# Altium PCB RFFE-Ver1A.PcbDoc (part 4 of 7)
Units mm, origin at the board's own origin, x right, y up, seen from the top; angles counter-clockwise.
Board outline 301.4 x 196.6 mm, 10 copper layers (RFsignal Top, Ground RF signal, Supply, SupplyGND, Digital signal, DigitalGND, CallTone RF, Ground Calltone, Ground RF signal (Plane6), RFsignal Bottom), stack 1.907 mm thick; 558 components, 369 nets, 2153 pads, 4580 vias.
Unrouted connection lines stored in the file: 1.
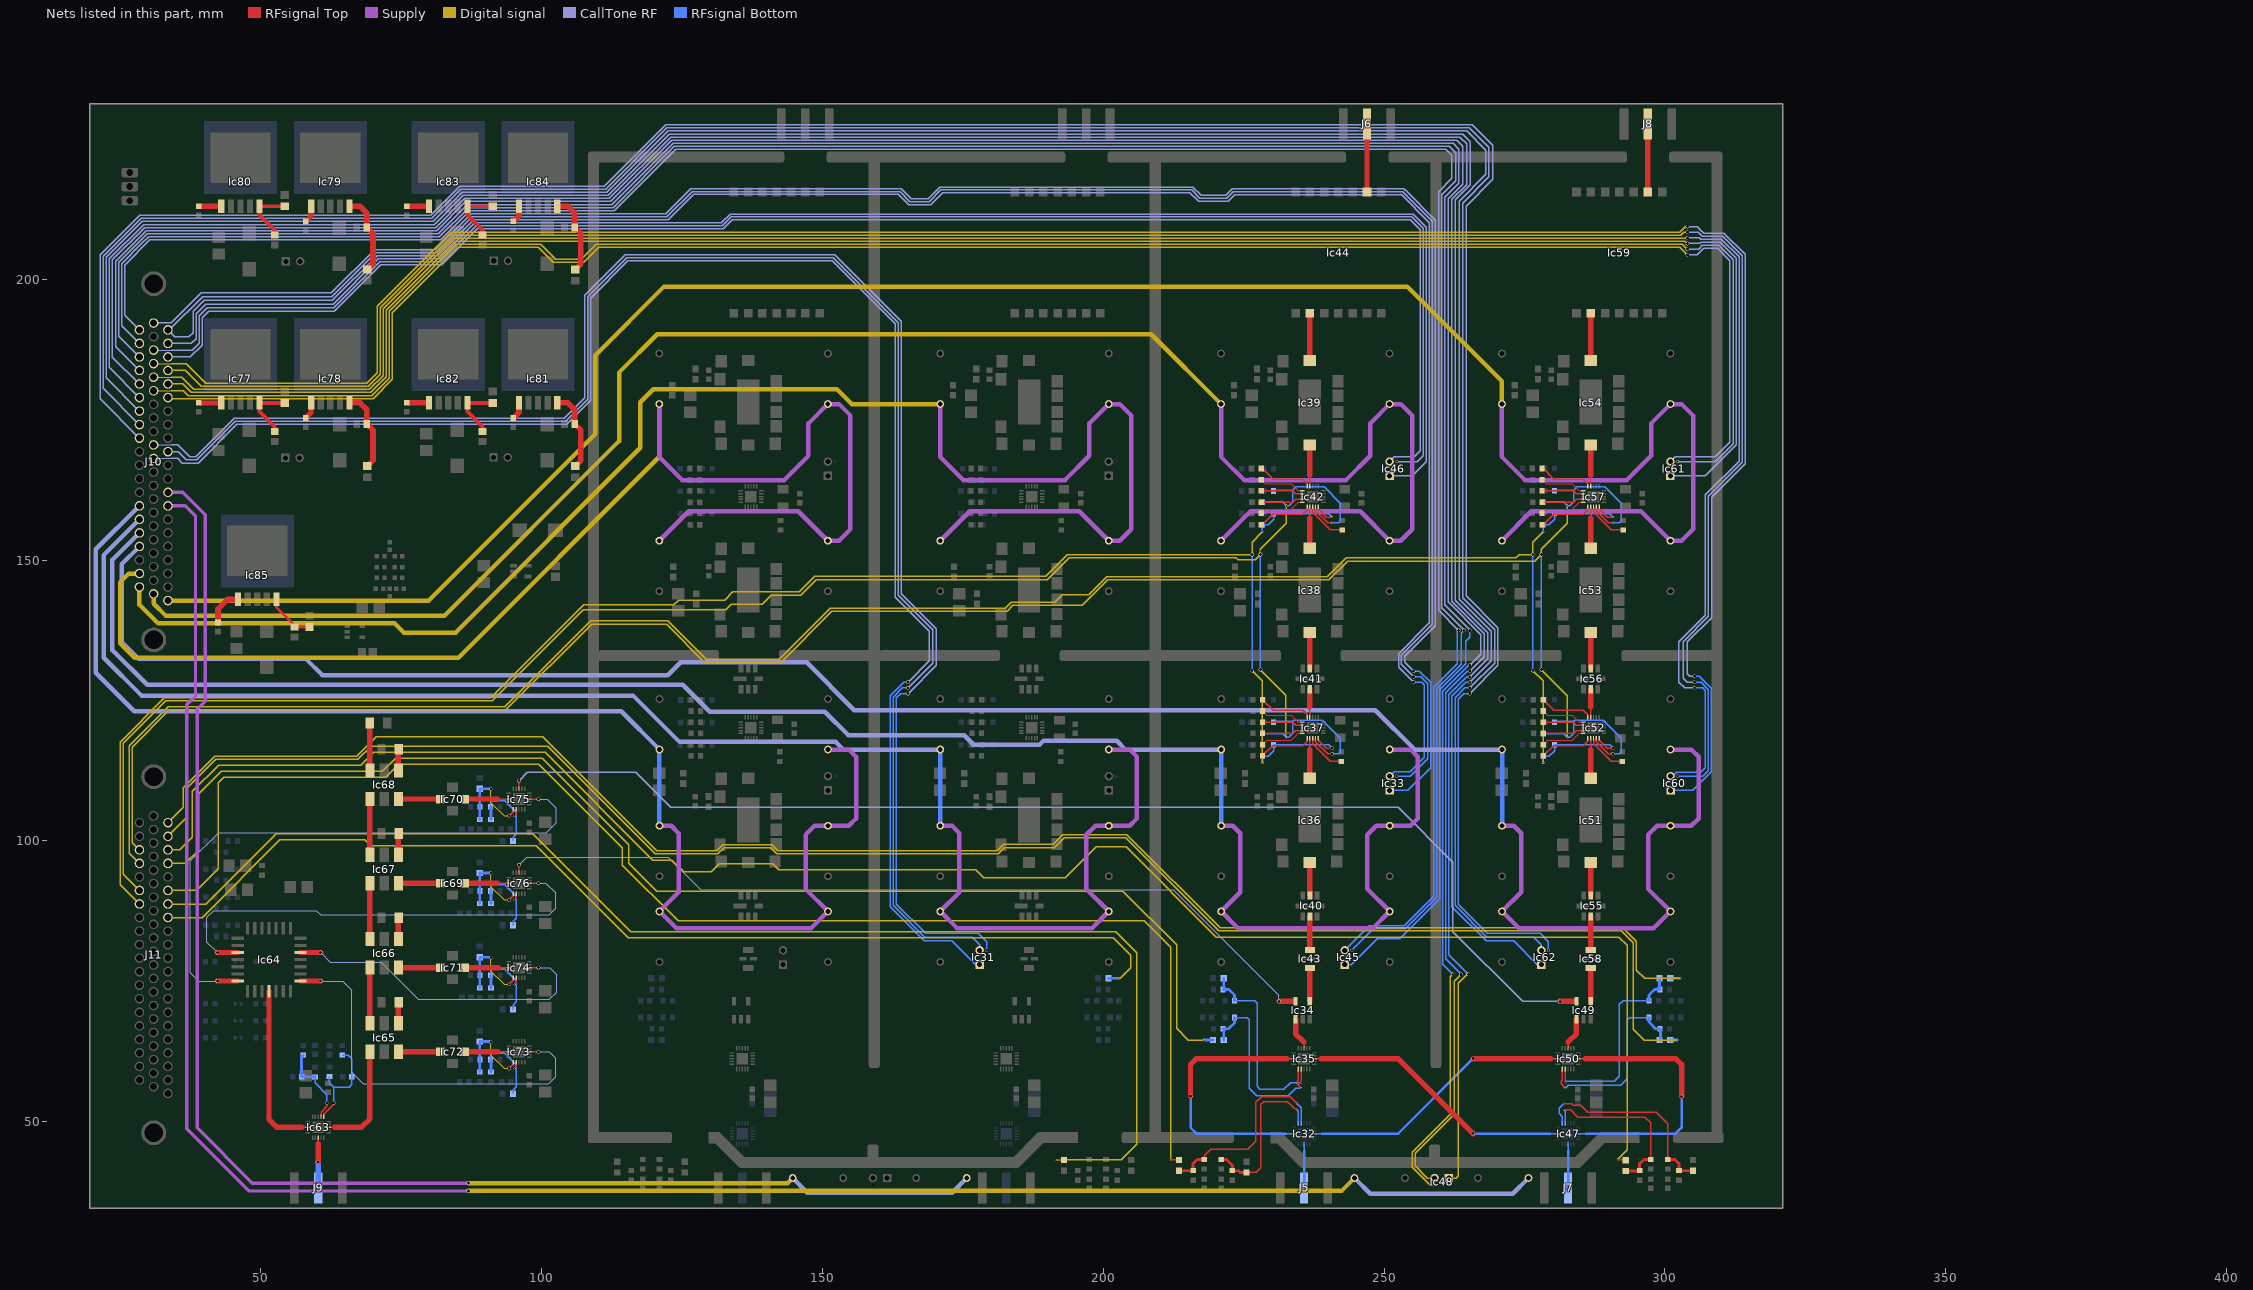
[diagram p12: the nets of this part, all layers, seen from the top]

## Via types
v1: diameter 0.35, hole 0.254, RFsignal Top to RFsignal Bottom, 1882 vias
v2: diameter 0.635, hole 0.508, RFsignal Top to RFsignal Bottom, 1038 vias
v3: diameter 0.33, hole 0.254, RFsignal Top to RFsignal Bottom, 963 vias
v4: diameter 0.381, hole 0.254, RFsignal Top to RFsignal Bottom, 596 vias
v5: diameter 1.27, hole 0.762, RFsignal Top to RFsignal Bottom, 41 vias
v6: diameter 3.9, hole 2.65, RFsignal Top to RFsignal Bottom, 20 vias
v7: diameter 0.85, hole 0.8, RFsignal Top to RFsignal Bottom, 15 vias
v8: diameter 0.635, hole 0.508, RFsignal Top to RFsignal Bottom, tented bottom, 9 vias
v9: diameter 0.6, hole 0.508, RFsignal Top to RFsignal Bottom, 8 vias
v10: diameter 5, hole 3.5, RFsignal Top to RFsignal Bottom, 4 vias
v11: diameter 1.1, hole 1, RFsignal Top to RFsignal Bottom, 2 vias
v12: diameter 1.27, hole 0.762, RFsignal Top to RFsignal Bottom, tented top, 1 vias
v13: diameter 0.85, hole 0.8, RFsignal Top to RFsignal Bottom, tented top, 1 vias

## Nets (pads, with @x,y where several pads share a name; then routed paths per layer and width w, separated by ;. In a path a pad name is that pad's centre, name@x,y a point inside that pad or via, vN(x,y) a via of type N, cw(c..) or ccw(c..) an arc to the next point about the centre after c; other vN are vias at no path point) (continued)
NetIc31_1: Ic31.1 J10.32 | length 292.3
  CallTone RF w0.127: J10.32@30.96,168.105 34.087,168.105
  CallTone RF w0.254: 34.087,168.105 35.27,168.105 36.088,167.287 38.854,167.287 45.729,174.162 104.511,174.162 108.808,178.459 108.808,196.666 115.399,203.257 151.75,203.257 162.959,192.048 162.959,143.421 169.059,137.321 169.059,132.059 v2(165.25,128.25)
  RFsignal Bottom w0.254: v2(165.25,128.25) 164.476,128.25 162.088,125.862 162.088,88.309 168.147,82.25 173.05,82.25 177.3,78 Ic31.1@178,78
NetIc31_2: Ic31.2 Ic31.3 J10.10 J10.31 | length 584.9
  CallTone RF w0.127: J10.31@30.96,170.515 34.087,170.515
  CallTone RF w0.254: J10.10@33.5,169.31 35.315,169.31 36.794,167.831 38.629,167.831 45.504,174.706 104.285,174.706 108.264,178.685 108.264,196.891 115.174,203.801 151.975,203.801 163.503,192.273 163.503,143.754 169.666,137.591 169.666,131.666 v2(165.25,127.25) ; 34.087,170.515 35.235,170.515 37.375,168.375 38.403,168.375 45.278,175.25 104.06,175.25 107.72,178.91 107.72,197.117 114.948,204.345 152.2,204.345 164.047,192.498 164.047,144.009 170.25,137.806 170.25,131.25 v2(165.25,126.25)
  RFsignal Bottom w0.254: v2(165.25,126.25) 163.926,126.25 163.176,125.5 163.176,88.76 168.377,83.559 177.793,83.559 179.27,82.082 Ic31.3@179.27,80.56 ; v2(165.25,127.25) 164.256,127.25 162.632,125.626 162.632,88.535 168.261,82.906 176.65,82.906 178,81.556 Ic31.2@178,80.54
NetIc32_3: Ic32.3 Ic50.13 | length 48.8
  RFsignal Top w0.254: 279.65,61.25 Ic50.13@280.905,61.25
  RFsignal Top w0.965: v8(265.87,61.25) 279.65,61.25
  RFsignal Bottom w0.254: Ic32.3@237.595,47.9 238.9,47.9
  RFsignal Bottom w0.45: 238.9,47.9 252.52,47.9 v8(265.87,61.25)
NetIc32_8: Ic32.8 J5.5 | length 8.1
  RFsignal Bottom w0.25: 235.75,44.845 Ic32.8@235.75,46.055
  RFsignal Bottom w0.45: J5.5@235.751,38.25 235.751,44.844
  RFsignal Bottom w0.965: J5.5@235.751,38 J5.5@235.751,38.25
NetIc32_13: Ic32.13 Ic35.13 | length 48.8
  RFsignal Top w0.254: 232.65,61.25 Ic35.13@233.905,61.25
  RFsignal Top w0.965: v8@215.54,54.58 215.54,60.19 216.6,61.25 232.65,61.25
  RFsignal Bottom w0.254: 232.6,47.9 Ic32.13@233.905,47.9
  RFsignal Bottom w0.45: v8(215.55,54.57) 215.55,48.95 216.6,47.9 232.6,47.9
NetIc32_16: Ic32.16 R114.1 R128.2 R143.2 | length 29.9
  RFsignal Top w0.254: R114.1@225.5,41 227.25,41 228.05,41.8 228.05,53.1 228.55,53.6 232.8,53.6 233.538,52.862 ; 233.538,52.852 234.101,52.288 234.362,52.288 v3(234.5,52.15)
  RFsignal Top w0.508: R128.2@221,43.3 221.95,43.3 223,42.25 R143.2@223,41.3 224.1,41.3 224.4,41 225.2,41 R114.1@225.35,41.15
  RFsignal Bottom w0.254: v3(234.5,52.15) 234.75,51.9 Ic32.16@234.75,49.745
NetIc32_17: Ic32.17 R118.1 R129.2 R144.2 | length 36
  RFsignal Top w0.254: R129.2@218,43.3 218,43.992 219.108,45.1 225.75,45.1 227.161,46.511 227.161,53.468 228.182,54.489 233.261,54.489 v3(234.5,53.25)
  RFsignal Top w0.508: R118.1@213.5,41.3 R144.2@216,41.3 216,42.545 216.755,43.3 R129.2@218,43.3
  RFsignal Bottom w0.254: v3(234.5,53.25) 235.25,52.5 Ic32.17@235.25,49.745
NetIc33_1: Ic33.1 J10.22 | length 354.3
  CallTone RF w0.254: J10.22@30.96,192.205 31.022,192.267 34.111,192.267 39.412,197.568 62.552,197.568 70.283,205.3 81.087,205.3 87.459,211.672 122.113,211.672 126.559,216.118 164.037,216.118 165.81,214.345 168.832,214.345 170.896,216.409 215.936,216.409 217.425,214.92 221.777,214.92 222.975,216.118 253.529,216.118 253.768,215.879 253.824,215.879 259.151,210.553 259.151,138.362 253.685,132.896 253.685,131.815 v2(255.25,130.25)
  RFsignal Bottom w0.254: Ic33.1@251,109 254.24,109 258.28,113.04 258.28,128.259 256.289,130.25 v2(255.25,130.25)
NetIc33_2: Ic33.2 Ic33.3 J10.1 | length 698.1
  CallTone RF w0.254: J10.1@33.5,191 34.705,189.795 37.245,189.795 37.968,190.518 37.968,194.267 39.956,196.255 62.777,196.255 70.734,204.212 81.538,204.212 87.91,210.584 122.564,210.584 127.09,215.11 163.537,215.11 165.368,213.279 169.274,213.279 171.396,215.401 215.436,215.401 216.983,213.854 222.219,213.854 223.416,215.052 252.997,215.052 253.055,215.11 258.063,210.102 258.063,138.813 252.571,133.321 252.571,130.929 v2(255.25,128.25) ; J10.1@33.772,191 39.684,196.912 62.664,196.912 70.509,204.756 81.313,204.756 87.685,211.128 122.339,211.128 126.825,215.614 163.828,215.614 165.601,213.841 169.041,213.841 171.104,215.905 215.727,215.905 217.216,214.416 221.986,214.416 223.184,215.614 253.32,215.614 258.607,210.327 258.607,138.588 253.045,133.026 253.045,131.455 v2(255.25,129.25)
  RFsignal Bottom w0.254: Ic33.2@251.307,111.54 Ic33.2@251,111.54 251.8,112.34 254.637,112.34 257.192,114.895 257.192,127.808 256.75,128.25 v2(255.25,128.25) ; Ic33.3@252.27,111.56 254.626,111.56 257.736,114.67 257.736,128.033 256.519,129.25 v2(255.25,129.25)
NetIc34_3: Ic34.3 Ic35.8 | length 5.8
  RFsignal Top w0.25: Ic35.8@235.75,63.095 235.75,64.18
  RFsignal Top w0.965: Ic34.3@234.25,68.3 234.25,65.68 235.75,64.18
NetIc34_4: Ic34.4 Ic76.8 | length 151.2
  RFsignal Top w0.254: Ic76.8@95.99,94.315 v2@95.99,95.74
  RFsignal Top w0.965: v2(231.29,71.45) Ic34.4@234,71.45
  CallTone RF w0.2: v2(96,95.75) 97.35,97.1 122.55,97.1 128.35,91.3 206.2,91.3 212.5,91.3 231.29,72.51 v2(231.29,71.45)
NetIc34_6: Ic34.6 Ic43.1 | length 5.9
  RFsignal Top w0.965: Ic34.6@236.79,71.45 236.79,77.36 Ic43.1@236.8,77.37
NetIc35_3: Ic35.3 Ic47.13 | length 48.8
  RFsignal Top w0.254: Ic35.3@237.595,61.25 238.85,61.25
  RFsignal Top w0.965: 238.85,61.25 252.49,61.25 v8(265.84,47.9)
  RFsignal Bottom w0.254: 279.6,47.9 Ic47.13@280.905,47.9
  RFsignal Bottom w0.45: v8(265.84,47.9) 279.6,47.9
NetIc35_16: Ic35.16 R119.2 R130.2 R145.2 | length 34.5
  RFsignal Top w0.254: Ic35.16@234.75,59.405 234.75,57.5 234.5,57.25 234.5,56.75 v3(235.25,56)
  RFsignal Bottom w0.254: R130.2@223.35,68.57 225.63,68.57 226,68.2 226,55.95 227.3,54.65 232.9,54.65 234.25,56 v3(235.25,56)
  RFsignal Bottom w0.508: R145.2@221.35,66.57 222.32,66.57 223.35,67.6 R130.2@223.35,68.57 ; R119.2@221.45,64.57 R145.2@221.45,66.47
NetIc35_17: Ic35.17 R113.2 R131.2 R146.2 | length 35.4
  RFsignal Top w0.254: v3(235.25,57) Ic35.17@235.25,59.405
  RFsignal Bottom w0.254: R131.2@223.35,71.57 226.98,71.57 227.4,71.15 227.4,56.3 227.9,55.8 232.15,55.8 233.35,57 v3(235.25,57)
  RFsignal Bottom w0.508: R146.2@221.35,73.57 222.38,73.57 223.35,72.6 R131.2@223.35,71.57 ; R146.2@221.45,73.67 R113.2@221.45,75.57
NetIc36_5: Ic36.5 Ic37.2 | length 7.1
  RFsignal Top w0.254: 236.79,116.25 Ic37.2@236.79,118.305
  RFsignal Top w0.965: Ic36.5@236.79,111.16 236.79,116.25
NetIc36_10: Ic36.10 Ic40.6 | length 5.9
  RFsignal Top w0.965: Ic36.10@236.79,96.16 236.8,96.15 Ic40.6@236.8,90.3
NetIc37_1: Ic37.1 R109.2 | length 9.6
  RFsignal Top w0.254: R109.2@228.34,115.15 230.19,117 235.5,117 236.29,117.79 Ic37.1@236.29,118.305
NetIc37_3: Ic37.3 R111.2 | length 7.4
  RFsignal Top w0.254: Ic37.3@237.29,118.305 237.29,117.34 240.44,114.19 R111.2@242.41,114.19
NetIc37_4: Ic37.4 Ic42.4 J11.48 R123.2 R126.2 R136.2 R139.2 | length 349.2
  RFsignal Top w0.254: Ic37.4@237.79,118.305 237.79,117.64 239.93,115.5 v2(240.75,115.5) ; Ic42.4@237.79,159.475 237.79,158.81 239.93,156.67 v4(240.75,156.67)
  Digital signal w0.127: v2(228,151) 228,151.97
  Digital signal w0.254: J11.48@28.42,91.2 25.521,94.099 25.521,117.385 33.094,124.958 91.238,124.958 107.443,141.163 132.806,141.163 133.767,142.124 139.264,142.124 140.89,143.75 146.13,143.75 148.883,146.503 189.993,146.503 193.936,150.446 223.63,150.446 224.016,150.06 227.06,150.06 v2(228,151) ; v2(228,130.5) 232.53,125.97 v4(232.53,118.47) ; 228,151.97 232.63,156.6 v4(232.63,159.71)
  RFsignal Bottom w0.254: v2(228,130.5) v2(228,151) ; R136.2@228.35,119.1 232,119.1 232.63,118.47 233.03,118.47 233.75,119.19 233.75,121.3 ; R139.2@228.35,160.27 232.07,160.27 v4(232.63,159.71) 233.1,159.71 233.75,160.36 233.75,162.47 ; R123.2@230.55,121.3 233.75,121.3 ; R126.2@230.55,162.47 233.75,162.47 ; v2(240.75,115.5) 241.9,115.5 242.2,115.8 242.2,118.3 239,121.5 233.95,121.5 233.75,121.3 ; v4(240.75,156.67) 241.9,156.67 242.2,156.97 242.2,160.17 239.33,163.04 234.32,163.04 233.75,162.47
NetIc37_5: Ic37.5 Ic42.5 J11.49 R124.2 R127.2 R137.2 R140.2 | length 325.6
  RFsignal Top w0.254: Ic37.5@238.29,118.305 238.29,117.94 239.73,116.5 v2(240.75,116.5) ; Ic42.5@238.29,159.475 238.29,159.11 239.73,157.67 v4(240.75,157.67)
  Digital signal w0.254: J11.49@28.42,88.79 24.977,92.233 24.977,117.61 32.869,125.502 90.999,125.502 107.551,142.054 123.574,142.054 124.41,142.89 132.6,142.89 134.09,144.38 145.902,144.38 148.632,147.11 189.742,147.11 193.632,151 v2(226.5,151) 226.5,153.21 v4(228.33,155.04) ; v2(226.5,130.33) 228.33,128.5 v4@228.33,113.92
  RFsignal Bottom w0.254: v2(226.5,130.33) v2(226.5,151) ; v4(228.33,155.04) R140.2@228.33,156.25 ; R137.2@228.35,115.1 229.35,115.1 230.35,116.1 230.35,117.1 240.15,117.1 v2(240.75,116.5) ; R140.2@228.35,156.27 229.35,156.27 230.35,157.27 230.35,158.27 240.15,158.27 v4(240.75,157.67) ; v4(228.38,113.87) R137.2@228.38,115.07
NetIc37_14: Ic37.14 Ic41.2 | length 5
  RFsignal Top w0.254: Ic37.14@236.79,121.995 236.79,123.9
  RFsignal Top w0.965: 236.79,123.9 Ic41.2@236.79,127
NetIc37_15: Ic37.15 R107.2 | length 9.5
  RFsignal Top w0.254: R107.2@228.34,125.15 230.24,123.25 235.5,123.25 236.29,122.46 Ic37.15@236.29,121.995
NetIc37_16: Ic37.16 R105.2 | length 7.9
  RFsignal Top w0.2: R105.2@228.34,123.15 229.082,122.408 233.482,122.408 234.74,121.15 Ic37.16@235.445,121.15
NetIc37_17: Ic37.17 R103.2 | length 7.3
  RFsignal Top w0.254: R103.2@228.34,121.15 233.75,121.15 234.25,120.65 Ic37.17@235.445,120.65
NetIc37_19: Ic37.19 R101.2 | length 7.3
  RFsignal Top w0.254: R101.2@228.34,119.15 233.75,119.15 234.25,119.65 Ic37.19@235.445,119.65
NetIc37_20: Ic37.20 R99.2 | length 7.9
  RFsignal Top w0.2: R99.2@228.35,117.15 229.1,117.9 233.5,117.9 ; 233.5,117.91 234.74,119.15 Ic37.20@235.445,119.15
NetIc38_5: Ic38.5 Ic42.2 | length 7.4
  RFsignal Top w0.254: 236.79,157.42 Ic42.2@236.79,159.475
  RFsignal Top w0.965: Ic38.5@236.79,152.11 236.79,157.42
NetIc38_10: Ic38.10 Ic41.6 | length 6.4
  RFsignal Top w0.965: Ic41.6@236.79,130.73 Ic38.10@236.79,137.11
NetIc39_5: Ic39.5 Ic44.2 | length 8.4
  RFsignal Top w0.965: Ic39.5@236.8,185.52 Ic44.2@236.8,193.95
NetIc39_10: Ic39.10 Ic42.14 | length 7.3
  RFsignal Top w0.254: Ic42.14@236.79,163.165 236.79,165.07
  RFsignal Top w0.965: 236.8,165.08 Ic39.10@236.8,170.52
NetIc40_2: Ic40.2 Ic43.3 | length 6
  RFsignal Top w0.965: Ic43.3@236.8,80.62 Ic40.2@236.8,86.57
NetIc42_1: Ic42.1 R110.2 | length 9.6
  RFsignal Top w0.254: R110.2@228.34,156.32 230.19,158.17 235.5,158.17 236.29,158.96 Ic42.1@236.29,159.475
NetIc42_3: Ic42.3 R112.2 | length 7.5
  RFsignal Top w0.254: Ic42.3@237.29,159.475 237.29,158.51 240.42,155.38 R112.2@242.55,155.38
NetIc42_15: Ic42.15 R108.2 | length 9.5
  RFsignal Top w0.254: R108.2@228.34,166.32 230.24,164.42 235.5,164.42 236.29,163.63 Ic42.15@236.29,163.165
NetIc42_16: Ic42.16 R106.2 | length 8.1
  RFsignal Top w0.2: R106.2@228.14,164.32 228.882,163.578 233.482,163.578 234.74,162.32 Ic42.16@235.445,162.32
NetIc42_17: Ic42.17 R104.2 | length 7.3
  RFsignal Top w0.254: R104.2@228.34,162.32 233.75,162.32 234.25,161.82 Ic42.17@235.445,161.82
NetIc42_19: Ic42.19 R102.2 | length 7.3
  RFsignal Top w0.254: R102.2@228.34,160.32 233.75,160.32 234.25,160.82 Ic42.19@235.445,160.82
NetIc42_20: Ic42.20 R100.2 | length 8.1
  RFsignal Top w0.2: R100.2@228.14,158.32 228.89,159.07 233.49,159.07 234.74,160.32 Ic42.20@235.445,160.32
NetIc44_9: Ic44.9 J6.5 | length 12.1
  RFsignal Top w0.965: Ic44.9@246.96,215.54 J6.5@246.96,227.65
NetIc45_1: Ic45.1 J10.45 | length 426.4
  CallTone RF w0.254: J10.45@28.42,186.18 24.706,189.894 24.706,202.99 29.83,208.114 81.594,208.114 86.783,213.304 112.524,213.304 123.447,224.227 262.281,224.227 263.338,223.17 263.338,217.137 260.783,214.582 260.783,142.055 v2@265.25,137.588
  RFsignal Bottom w0.254: Ic45.1@243,78 244.17,78 248.79,82.62 252.779,82.62 259.912,89.753 259.912,126.912 264.521,131.521 264.521,135.582 265.25,136.311 v2(265.25,137.5)
NetIc45_2: Ic45.2 Ic45.3 J10.43 J10.44 | length 832.2
  CallTone RF w0.254: J10.44@28.42,188.59 25.25,191.76 25.25,202.765 28.873,206.388 30.055,207.57 81.819,207.57 87.009,212.76 112.75,212.76 123.673,223.683 261.604,223.683 262.738,222.549 262.738,217.54 260.239,215.041 260.239,141.511 v2(264.25,137.5) ; J10.43@28.42,191 25.794,193.626 25.794,202.539 30.281,207.026 82.044,207.026 87.234,212.216 112.975,212.216 123.898,223.139 260.99,223.139 262.056,222.073 262.056,217.973 259.695,215.612 259.695,141.055 v2(263.25,137.5)
  RFsignal Bottom w0.254: Ic45.2@243,80.54 247.39,84.93 253.55,84.93 258.824,90.204 258.824,127.363 263,131.539 263,137.25 v2(263.25,137.5) ; Ic45.3@244.27,80.56 248.096,84.386 253.775,84.386 259.368,89.979 259.368,127.137 263.7,131.469 263.7,136.95 v2(264.25,137.5)
NetIc46_1: Ic46.1 J10.2 | length 286.5
  CallTone RF w0.254: J10.2@33.5,188.59 37.66,188.59 38.512,189.442 38.512,193.882 40.228,195.598 62.89,195.598 70.959,203.668 81.763,203.668 88.135,210.04 132.004,210.04 133.567,211.603 255.201,211.603 257.519,209.285 257.519,167.519 255,165 Ic46.1@250.98,165
NetIc46_2: Ic46.2 Ic46.3 J10.3 J10.24 | length 567.4
  CallTone RF w0.127: J10.24@30.96,187.385 34.087,187.385
  CallTone RF w0.254: J10.3@33.5,186.18 37.51,186.18 39.6,188.27 39.6,193.12 40.77,194.29 63.12,194.29 71.41,202.58 82.214,202.58 88.586,208.952 132.342,208.952 133.985,210.595 254.67,210.595 256.431,208.834 256.431,169.431 255.375,168.375 251.815,168.375 Ic46.2@250.98,167.54 ; 34.087,187.385 37.825,187.385 39.056,188.616 39.056,193.498 40.5,194.942 63.002,194.942 71.185,203.124 81.989,203.124 88.361,209.496 132.173,209.496 133.776,211.099 254.935,211.099 256.975,209.059 256.975,168.625 255.91,167.56 Ic46.3@252.25,167.56
NetIc47_3: Ic47.3 Ic50.3 | length 48.8
  RFsignal Top w0.254: Ic50.3@284.595,61.25 285.85,61.25
  RFsignal Top w0.965: 285.85,61.25 301.88,61.25 302.96,60.17 v8(302.96,54.52)
  RFsignal Bottom w0.254: Ic47.3@284.595,47.9 285.9,47.9
  RFsignal Bottom w0.45: 285.9,47.9 301.9,47.9 302.96,48.96 v8(302.96,54.52)
NetIc47_8: Ic47.8 J7.5 | length 8.1
  RFsignal Bottom w0.25: 282.75,44.845 Ic47.8@282.75,46.055
  RFsignal Bottom w0.45: J7.5@282.751,38.25 282.751,44.844
  RFsignal Bottom w0.965: J7.5@282.751,38 J7.5@282.751,38.25
NetIc47_16: Ic47.16 R164.1 R182.2 R195.1 | length 36.5
  RFsignal Top w0.254: v3(282,53.25) 283.372,53.25 283.684,52.938 285.025,52.938 286.225,51.738 298.412,51.738 300.5,49.65 R182.2@300.5,43.3
  RFsignal Top w0.508: R182.2@300.5,43.3 301.745,43.3 302.5,42.545 R195.1@302.5,41.3 R164.1@305,41.3
  RFsignal Bottom w0.254: Ic47.16@281.75,49.745 281.75,50.95 281.15,51.55 281.15,52.4 v3(282,53.25)
NetIc47_17: Ic47.17 R165.1 R183.2 R196.1 | length 34.1
  RFsignal Top w0.254: v3(282,52.15) 283.215,52.15 284.516,50.849 296.451,50.849 297.5,49.8 R183.2@297.5,43.3
  RFsignal Top w0.508: R165.1@293.01,41.26 R165.1@292.989,41.25 ; R183.2@297.5,43.3 296.255,43.3 295.5,42.545 R196.1@295.5,41.3 R196.1@295.5,41.25 ; R165.1@292.989,41.25 R196.1@295.5,41.25 ; R165.1@292.989,41.25 293.01,41.25 R196.1@295.5,41.25
  RFsignal Bottom w0.254: v3(282,52.15) 282.25,51.9 Ic47.17@282.25,49.745
NetIc48_1: Ic48.1 J10.48 | length 473.9
  CallTone RF w0.254: J10.48@28.42,178.95 23.074,184.296 23.074,203.666 29.154,209.746 80.918,209.746 86.107,214.936 111.848,214.936 122.771,225.859 263.999,225.859 265.374,224.484 265.374,216.789 262.715,214.13 262.715,142.821 268.452,137.084 268.452,132.452 v2(265.25,129.25)
  Digital signal w0.254: Ic48.1@261.54,40 262.81,40 263.25,40.44 263.25,74.71 264.79,76.25 v2(265,76.25)
  RFsignal Bottom w0.254: v2(265,76.25) 261.544,79.706 261.544,126.067 264.727,129.25 v2(265.25,129.25)
NetIc48_2: Ic48.2 Ic48.3 J10.46 J10.47 | length 940
  CallTone RF w0.254: J10.47@28.42,181.36 23.618,186.162 23.618,203.441 29.379,209.202 81.143,209.202 86.333,214.392 112.074,214.392 122.997,225.315 263.51,225.315 264.731,224.094 264.731,216.87 262.087,214.226 262.087,142.689 267.845,136.931 267.845,132.845 v2(265.25,130.25) ; J10.46@28.42,183.77 24.162,188.028 24.162,203.215 29.605,208.658 81.368,208.658 86.558,213.848 112.299,213.848 123.222,224.771 262.916,224.771 264.036,223.651 264.036,216.926 261.415,214.305 261.415,142.549 267.238,136.726 267.238,133.238 v2(265.25,131.25)
  Digital signal w0.254: Ic48.3@258.98,38.73 258.231,38.73 255,41.961 255,44.548 261.8,51.348 261.8,75.8 v2(262.25,76.25) ; Ic48.2@259.19,40 Ic48.2@259,40 257.73,40 255.544,42.186 255.544,44.422 262.5,51.378 262.5,75 v2(263.75,76.25)
  RFsignal Bottom w0.254: v2(262.25,76.25) 260.456,78.044 260.456,126.668 265.038,131.25 v2(265.25,131.25) ; v2(263.75,76.25) 261,79 261,126.401 264.849,130.25 v2@265.245,130.25
NetIc49_3: Ic49.3 Ic50.8 | length 5.8
  RFsignal Top w0.25: Ic50.8@282.75,63.095 282.75,64.18
  RFsignal Top w0.965: 282.75,64.18 284.25,65.68 Ic49.3@284.25,68.3
NetIc49_4: Ic49.4 Ic75.8 | length 214.2
  RFsignal Top w0.254: Ic75.8@95.99,109.315 v2@95.99,110.74
  RFsignal Top w0.965: v2(281.29,71.45) Ic49.4@284,71.45
  CallTone RF w0.254: v2(96,110.75) 97.5,112.25 116.75,112.25 123,106 252.5,106 262.25,96.25 262.25,83.865 274.665,71.45 v2(281.29,71.45)
NetIc49_6: Ic49.6 Ic58.1 | length 5.9
  RFsignal Top w0.965: Ic49.6@286.79,71.45 286.79,77.36 Ic58.1@286.8,77.37
NetIc50_16: Ic50.16 R166.2 R180.2 R193.1 | length 35.5
  RFsignal Top w0.254: Ic50.16@281.75,59.405 281.75,57.5 281.5,57.25 281.5,56.75 v3(282.25,56)
  RFsignal Bottom w0.254: v3(282.25,56) 282.8,56.55 292.15,56.55 293.3,57.7 293.3,68.15 293.72,68.57 R180.2@297.15,68.57 ; R166.2@299.05,64.57 R166.2@299.2,64.57
  RFsignal Bottom w0.508: R180.2@297.15,68.57 297.15,67.75 298.33,66.57 R193.1@299.15,66.57 ; R166.2@299.2,64.57 R193.1@299.2,66.52
NetIc50_17: Ic50.17 R163.2 R181.2 R194.1 | length 37.1
  RFsignal Top w0.254: v3(282.25,57) Ic50.17@282.25,59.405
  RFsignal Bottom w0.254: v3(282.25,57) 282.449,57.199 290.949,57.199 291.9,58.15 ; 291.25,57.5 291.9,58.15 ; R181.2@297.15,71.57 292.57,71.57 291.9,70.9 291.9,58.15
  RFsignal Bottom w0.508: R181.2@297.15,71.57 297.15,72.6 298.12,73.57 R194.1@299.15,73.57 ; R194.1@299.05,73.67 R163.2@299.05,75.57
NetIc51_5: Ic51.5 Ic52.2 | length 7.1
  RFsignal Top w0.254: 286.79,116.25 Ic52.2@286.79,118.305